# KiCad board AT386SX.kicad_pcb (continued)
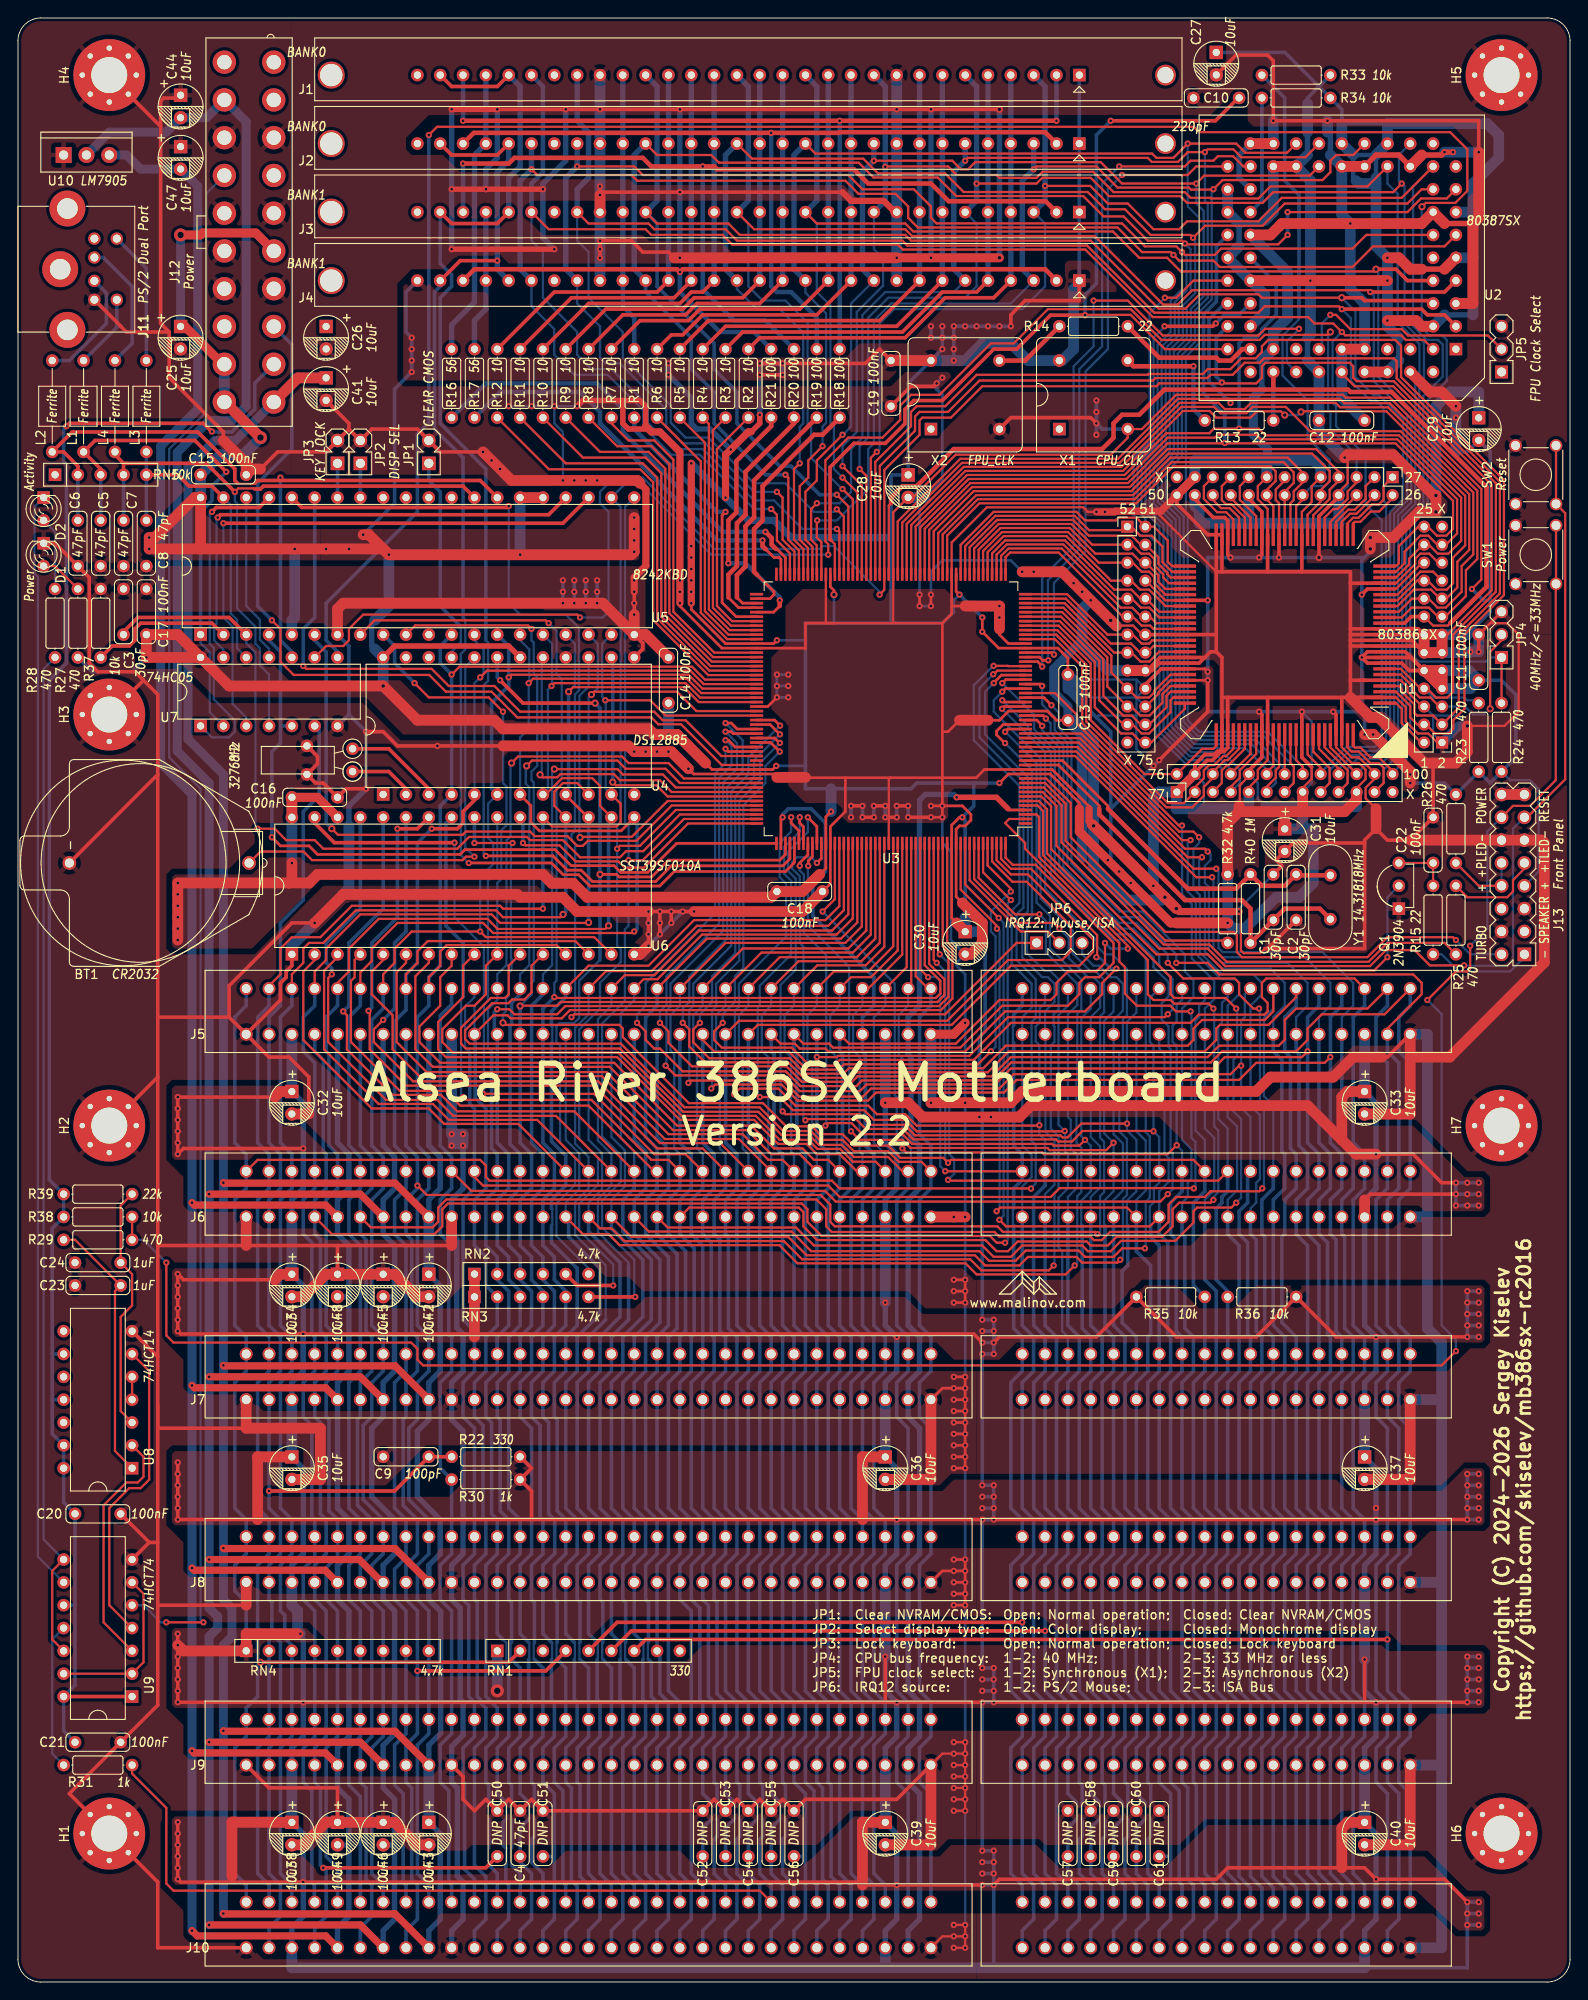
[diagram p0: board, top side]
## Routing (per net, layer and track width the routed paths; a pad name or vN(x,y) marks a point on that pad's centre or on a via; arc(x,y) is an arc through that point) (continued)
  Top w0.4: v1(48.58,126.72) 35.2,126.72 33.02,128.91 U6.31
  Bottom w0.25: v1(48.58,126.72) 48.58,118.43 51.85,115.16 51.85,109.63 50.8,108.58 J5.11
  Bottom w0.3: 50.84,105.09 50.6,105.33
  Bottom w0.4: J5.11 50.88,105.33 50.88,98.35 52.07,97.16 52.07,88.26 50.8,87 J6.11 50.8,81.91 52.07,80.65 52.07,77.47 RN3.2 53.34,73.03 52.07,71.75 52.07,67.94 50.8,66.68 J7.11 50.8,62.87 51.75,61.91 51.75,51.75 52.07,51.44 52.07,47.62 50.8,46.35 J8.11 50.8,42.54 51.12,42.23 51.12,31.75 51.44,31.43 51.44,31.12 52.07,30.48 52.07,27.31 50.8,26.03 J9.11 50.8,13 52.07,11.73 52.07,6.98 50.8,5.72 J10.11
Net-(BT1-Pad1): length 49.2
  Top w0.25: v1(50.8,125.16) 49.85,125.16 49.47,124.78 32.72,124.78 31.77,125.73 26.99,125.73 BT1.1
  Bottom w0.25: U4.20 49.78,146.3 49.78,126.18 v1(50.8,125.16)
Net-(C1-Pad1): length 47
  Top w0.3: 120.33,130.49 120.33,130.81 115.79,135.36 U3.14
  Top w0.5: Y1.1 144.88,119.38 140.97,119.38 C1.1 R40.1 137.16,119.38 136.21,120.33 129.86,120.33 120.33,129.86 120.33,130.49
Net-(C2-Pad1): length 41.8
  Top w0.3: U3.15 116.24,135.86 121.28,130.81 121.28,130.49
  Top w0.5: 121.28,130.49 130.18,121.6 135.57,121.6 R40.2 138.43,121.92 140.97,121.92 C2.1 142.34,123.09 Y1.2
Net-(C22-Pad1): length 6.3
  Top w0.25: R15.2 C22.1 Q1.3
Net-(C23-Pad1): length 29.8
  Top w0.25: U8.1 10.79,59.06 10.79,76.84 C23.1 6.35,82.55 R29.2
Net-(C24-Pad1): length 27.5
  Top w0.25: U8.3 11.43,63.5 11.43,73.98 12.7,75.25 12.7,78.74 C24.1 11.43,86.36 R39.1
Net-(D1-Pad2): length 4.9
  Top w0.25: R27.2 4.13,157.48 D1.2
Net-(D2-Pad1): length 122.4
  Bottom w0.25: D2.1 1.83,164.08 1.83,156.67 2.22,156.28 2.22,47.31 U9.9
Net-(D2-Pad2): length 8.1
  Bottom w0.25: R28.2 4.13,161.29 D2.2
Net-(JP1-Pad1): length 23.5
  Bottom w0.25: 49.21,150.81 49.28,150.74 49.28,148.98 48.26,147.95 U4.21
  Bottom w0.4: JP1.1 45.72,167 46.99,165.74 46.99,153.03 49.21,150.81
Net-(JP5-Pad2): length 25
  Top w0.25: v1(146.05,185.42) 146.69,185.42 148.27,183.83 153.99,183.83 154.69,183.13 163.58,183.13 JP5.2
  Bottom w0.25: U2.59 145.1,181.93 145.1,184.47 v1(146.05,185.42)
Net-(R13-Pad1): length 14.1
  Top w0.5: v1(130.81,179.7) 124.14,179.7 X1.5
  Bottom w0.5: v1(130.81,179.7) 130.81,174.94 R13.1
Net-(R14-Pad1): length 8.2
  Top w0.5: R14.1 112.08,180.34 X2.5
Net-(R25-Pad2): length 59.7
  Top w0.25: R25.2 158.75,115.57 152.4,115.57 150.3,113.47 134.5,113.47 132.58,115.38 127.5,115.38 116.13,126.76 116.13,130.89 114.16,132.86 U3.9
Net-(R28-Pad1): length 113
  Top w0.25: U9.12 3.81,38.1 3.81,45.72 U9.8
  Bottom w0.25: R28.1 2.86,146.05 2.86,49.21 U9.8
Net-(R31-Pad2): length 16.3
  Bottom w0.25: U9.11 3.81,38.1 3.81,25.4 R31.2
Net-(R32-Pad2): length 32.2
  Top w0.25: U3.10 114.3,133.36 116.58,131.07 116.58,126.95 127.69,115.83 134.24,115.83 134.52,115.55
Net-(R34-Pad2): length 26.7
  Bottom w0.3: 138.23,209.51 138.43,209.31 138.43,198.16 137,196.73
  Bottom w0.4: R34.2 138.43,198.12 U2.40
Net-(R37-Pad1): length 16.5
  Top w0.4: R37.1 10.48,148.59 12.38,148.59 13.02,149.22 13.02,150.5 13.65,151.13 21.59,151.13 U5.2
Net-(U4-Pad2): length 7.4
  Top w0.4: Y2.2 41.27,134.63 43.18,132.72 U4.2
Net-(U4-Pad3): length 11
  Top w0.4: Y2.1 41.27,137.17 45.72,132.72 U4.3
Net-(U8-Pad2): length 27.3
  Top w0.25: U9.3 9.52,40 9.52,53.02 12.06,55.56 13.33,55.56 13.97,56.2 13.97,58.42 U8.2
Net-(U8-Pad4): length 2.5
  Top w0.25: U8.5 U8.4
Net-(U8-Pad6): length 34.9
  Top w0.25: U9.4 10.16,41.91 10.16,52.71 12.38,54.93 13.65,54.93 14.6,55.88 14.6,67.94 U8.6

## Copper pours and planes (outline as drawn; the poured copper is in the pictures)
GND on Top: 157.48,7.62 160.02,5.08 163.19,5.08 163.83,5.72 163.83,9.53 163.19,10.16 161.29,10.16 156.84,14.6 151.13,14.6 151.13,18.73 150.81,19.05 147.32,19.05 146.37,18.1 132.08,18.1 129.22,15.24 114.3,15.24 113.66,15.88 106.68,15.88 106.68,27.94 155.26,27.94 157.16,29.84 163.19,29.84 163.83,30.48 163.83,36.83 163.19,37.47 153.99,37.47 152.4,39.05 115.57,39.05 113.98,40.64 106.68,40.64 106.68,48.26 155.26,48.26 157.16,50.16 163.19,50.16 163.83,50.8 163.83,57.15 163.19,57.78 160.97,57.78 158.43,55.25 148.27,55.25 147,56.51 106.68,56.51 106.68,67.94 159.07,67.94 161.61,70.48 163.19,70.48 163.83,71.12 163.83,77.47 163.19,78.1 125.09,78.1 121.92,74.93 106.68,74.93 106.68,78.1 117.16,78.1 118.43,79.38 122.87,79.38 124.14,80.65 126.05,80.65 127.32,81.91 130.49,81.91 132.4,83.82 153.03,83.82 154.94,85.72 155.57,85.72 156.21,85.09 163.19,85.09 163.83,85.72 163.83,89.53 163.19,90.17 161.29,90.17 155.57,95.88 151.13,95.88 151.13,100.01 150.81,100.33 144.78,100.33 148.59,104.14 153.35,104.14 153.67,104.46 153.67,106.04 157.16,109.54 157.16,111.12 154.31,113.98 138.75,113.98 138.75,126.68 139.06,127 142.24,127 144.15,128.91 147.96,128.91 150.18,131.13 153.67,131.13 154.31,131.76 155.89,131.76 156.53,132.4 156.53,134.62 151.13,140.02 149.86,140.02 147.32,142.56 149.86,142.56 149.86,142.24 150.81,141.29 152.08,141.29 155.57,137.8 155.57,137.48 156.21,136.84 157.16,136.84 161.61,141.29 161.61,149.54 161.93,149.86 172.72,149.86 172.72,0 106.68,0 106.68,7.62
GND on Top: 159.7,150.81 160.02,150.5 160.02,147.64 159.7,147.32 156.53,147.32 155.26,148.59 154.31,148.59 154.31,150.81
GND on Top: 74.93,119.7 74.93,116.84 70.17,112.08 69.53,112.08 67.94,113.66 67.94,114.94 69.53,116.52 69.53,117.16 68.9,117.79 66.67,117.79 66.04,118.43 66.04,119.7
GND on Top: 125.41,176.85 125.73,176.53 125.73,176.21 124.46,174.94 122.56,174.94 121.28,173.67 121.28,172.08 120.33,171.13 103.82,171.13 100.01,167.32 100.01,168.28 99.69,168.59 98.74,168.59 98.42,168.91 98.42,169.55 100.65,171.77 102.23,171.77 107.31,176.85
GND on Top: 30.48,218.44 30.48,167.64 29.84,167.64 29.53,167.96 28.89,167.96 28.57,167.64 26.35,167.64 25.72,167 19.69,167 13.65,160.97 13.65,159.07 15.24,157.48 30.8,157.48 30.8,151.13 29.53,151.13 28.26,152.4 13.33,152.4 11.43,150.5 11.43,148.91 13.02,147.32 13.02,146.69 13.65,146.05 17.78,146.05 21.59,142.24 26.35,142.24 26.35,126.68 23.49,123.83 17.14,123.83 16.51,123.19 16.51,114.94 17.14,114.3 26.35,114.3 33.97,121.92 57.78,121.92 58.42,121.28 58.42,120.02 36.51,120.02 31.43,114.94 31.43,104.46 39.05,96.84 45.4,96.84 47.31,94.93 55.56,94.93 57.78,92.71 57.78,92.39 57.47,92.07 35.56,92.07 31.75,95.88 31.75,100.01 31.43,100.33 17.14,100.33 16.51,99.69 16.51,91.44 18.41,89.53 18.41,86.36 19.05,85.72 26.03,85.72 26.67,85.09 26.67,84.46 27.3,83.82 33.02,83.82 34.29,82.55 65.41,82.55 66.67,81.28 85.09,81.28 87,79.38 105.09,79.38 106.36,78.1 106.68,78.1 106.68,74.93 100.97,74.93 99.06,76.84 69.53,76.84 67.94,78.42 65.41,78.42 63.82,80.01 49.85,80.01 49.53,79.69 49.53,77.47 47.62,75.56 44.13,75.56 42.23,77.47 33.97,77.79 31.75,75.56 31.75,79.69 31.43,80.01 17.46,80.01 16.83,80.65 16.19,80.65 15.88,80.33 15.88,79.38 16.19,79.06 16.19,71.44 18.41,69.22 18.41,66.04 19.05,65.41 26.03,65.41 26.67,64.77 26.67,64.13 27.3,63.5 46.04,63.5 46.67,64.13 46.67,67.63 46.99,67.94 106.68,67.94 106.68,56.51 103.82,56.51 102.55,55.25 97.79,55.25 97.79,59.37 97.47,59.69 45.4,59.69 40.96,55.25 31.75,55.25 31.75,59.37 31.43,59.69 17.14,59.69 16.51,59.06 16.51,50.8 18.41,48.9 18.41,45.72 19.05,45.09 26.03,45.09 26.67,44.45 26.67,43.81 27.3,43.18 46.04,43.18 46.67,43.81 46.67,47.94 46.99,48.26 106.68,48.26 106.68,40.64 66.04,40.64 63.5,38.1 34.29,38.1 32.38,40 21.59,40 20.95,40.64 16.19,40.64 15.88,40.32 15.88,39.69 16.51,39.05 16.51,30.48 18.41,28.57 18.41,25.4 19.05,24.76 26.03,24.76 26.67,24.13 26.67,23.5 27.3,22.86 46.04,22.86 46.67,23.5 46.67,27.62 46.99,27.94 106.68,27.94 106.68,15.88 103.5,15.88 102.23,14.6 97.79,14.6 97.79,18.73 97.47,19.05 92.71,19.05 88.9,15.24 50.48,15.24 49.85,14.6 43.5,14.6 41.59,16.51 34.61,16.51 32.7,14.6 31.75,14.6 31.75,18.73 31.43,19.05 17.14,19.05 15.88,17.78 15.88,10.48 18.41,7.94 18.41,5.08 19.05,4.44 26.03,4.44 26.67,3.81 26.67,3.18 27.3,2.54 46.04,2.54 46.67,3.18 46.67,7.3 46.99,7.62 106.68,7.62 106.68,0 0,0 0,218.44
GND on Top: 172.72,218.44 172.72,149.86 161.93,149.86 166.05,153.99 166.05,167 156.84,176.21 156.84,177.8 158.43,177.8 161.29,180.66 161.29,198.44 161.93,199.07 161.93,204.15 159.7,206.38 137.48,206.38 136.84,207.01 136.84,209.87 136.21,210.5 135.57,210.5 132.72,207.65 45.72,207.65 43.18,205.1 43.18,203.84 43.81,203.2 47.31,203.2 49.21,201.3 55.25,201.3 55.88,200.66 67.94,200.66 68.58,200.03 91.76,200.03 93.66,198.12 57.15,198.12 56.52,197.49 56.52,196.22 58.42,194.31 69.53,194.31 70.17,193.68 78.11,193.68 79.38,192.41 79.38,191.13 54.61,191.13 53.97,191.77 48.58,191.77 47.31,190.5 43.81,190.5 42.23,188.91 42.23,178.12 42.86,177.48 97.16,177.48 98.74,179.07 103.5,179.07 103.82,178.75 103.82,178.44 102.55,177.16 99.38,177.16 97.47,175.26 97.47,173.67 96.2,172.4 92.71,172.4 92.39,172.72 92.39,174.62 92.08,174.94 52.7,174.94 52.39,174.62 52.39,173.35 52.7,173.04 53.66,173.04 59.37,167.32 59.37,166.37 53.02,166.37 51.75,167.64 30.48,167.64 30.48,218.44
GND on Top: 118.75,164.15 124.78,164.15 127.95,167.32 129.86,165.1 132.4,162.56 133.98,162.56 133.98,157.8 134.62,157.16 149.22,157.16 149.86,156.53 149.86,155.57 149.54,155.57 148.59,154.62 148.59,153.99 149.86,152.72 149.86,148.59 149.54,148.59 148.59,147.64 148.59,147 149.86,145.73 149.86,142.56 135.57,142.56 134.94,141.92 134.94,140.33 133.67,140.33 133.67,146.37 133.03,147 132.08,147 131.76,147.32 131.76,151.76 133.03,153.03 133.03,156.53 131.13,158.43 129.54,158.43 125.09,162.88 119.06,162.88 118.43,163.51 118.43,163.83
GND on Top: 85.41,148.91 85.41,153.03 87.31,154.94 103.19,154.94 104.46,153.67 106.68,153.67 106.68,149.86 107.95,148.59 107.95,133.03 107.63,132.72 104.14,132.72 103.5,132.08 103.5,129.54 102.87,128.91 92.39,128.91 91.76,129.54 91.76,130.49 91.12,131.13 87.63,131.13 85.72,133.03 85.72,139.7 83.82,141.61 83.82,147.32
GND on Top: 69.53,157.48 69.85,157.16 69.85,147 69.53,146.69 60.01,146.69 59.37,147.32 59.37,151.76 58.42,152.72 38.42,152.72 36.2,150.5 36.2,149.22 34.92,149.22 34.92,150.18 33.97,151.13 30.8,151.13 30.8,157.48
GND on Top: 29.84,128.91 26.99,128.91 26.35,128.27 26.35,142.24 38.42,142.24 42.55,138.11 54.61,138.11 54.61,136.84 53.97,136.21 53.97,133.67 53.66,133.35 50.48,133.35 49.85,132.72 49.85,131.44 48.89,130.49 31.43,130.49
GND on Bottom: 156.53,150.5 158.43,150.5 159.38,151.45 159.38,173.04 160.66,173.04 161.29,172.4 164.15,172.4 164.47,172.08 164.47,153.67 165.73,152.4 165.73,149.86 163.19,147.32 156.53,147.32 155.89,147.95 155.89,149.86
GND on Bottom: 91.76,129.86 91.76,131.13 92.08,131.44 99.38,131.44 99.69,131.13 99.69,112.71 99.06,112.08 97.79,112.08 89.22,120.65 89.22,121.92 90.49,123.19 90.49,128.59
GND on Bottom: 120.33,124.14 123.19,121.28 125.09,121.28 125.73,121.92 125.73,132.72 126.37,133.35 129.54,133.35 130.18,133.99 130.18,134.94 131.76,134.94 131.76,133.99 132.4,133.35 136.84,133.35 137.48,132.72 137.48,130.18 138.11,129.54 139.06,129.54 139.7,128.91 139.7,127.32 140.02,127 141.6,127 142.88,125.73 142.88,124.46 142.56,124.14 141.6,124.14 141.29,123.83 141.29,122.55 140.97,122.24 139.7,122.24 136.21,118.75 135.57,118.75 135.57,124.14 130.18,129.54 129.22,129.54 128.59,128.91 128.59,128.27 129.22,127.64 129.22,120.65 130.18,119.7 130.18,115.89 129.86,115.57 129.22,115.57 125.09,119.7 122.87,119.7 117.79,124.78 117.79,138.75 116.52,140.02 116.52,141.61 117.16,141.61 120.33,138.43
GND on Bottom: 131.13,173.35 135.89,173.35 136.53,173.99 136.53,177.8 136.84,178.12 138.75,178.12 139.06,177.8 139.06,174.62 140.02,173.67 142.88,173.67 147,177.8 147.64,177.8 150.18,175.26 150.81,175.26 151.45,174.62 151.45,167 151.13,166.69 131.13,166.69 130.49,167.32 130.49,172.72
GND on Bottom: 67.94,156.84 68.58,157.48 72.71,157.48 73.98,156.21 73.98,147 71.12,144.14 71.12,138.11 71.75,137.48 73.03,137.48 73.66,138.11 73.66,141.61 78.74,146.69 86.04,146.69 86.36,146.37 86.36,142.24 84.77,140.65 78.42,140.65 77.79,140.02 77.79,135.57 76.83,134.62 76.83,118.75 70.17,112.08 69.53,112.08 67.94,113.66 67.94,114.94 69.53,116.52 69.53,130.49 69.22,130.81 68.26,130.81 67.94,131.13
GND on Bottom: 56.83,165.42 56.2,166.05 53.66,166.05 53.02,166.69 53.02,168.28 50.16,171.13 50.16,172.72 50.48,173.04 51.12,173.04 54.29,176.21 62.23,176.21 63.82,174.31 63.82,173.04 65.72,171.13 65.72,167.64 64.14,166.05 64.14,164.15 65.09,163.19 65.09,153.03 64.77,152.72 57.47,152.72 56.83,153.35
GND on Bottom: 119.38,159.07 119.38,178.75 121.92,181.29 121.92,199.39 122.56,200.03 123.19,200.03 123.82,200.66 123.82,201.93 122.56,203.2 122.56,207.33 121.92,207.96 120.65,207.96 120.01,208.6 120.01,213.04 120.33,213.36 130.18,213.36 130.81,212.72 135.25,212.72 135.89,212.09 135.89,211.14 134.62,209.87 134.62,209.23 137.79,206.06 137.79,203.84 137.16,203.2 133.35,203.2 131.13,205.42 130.18,205.42 129.54,204.79 129.54,193.99 125.41,189.87 125.41,171.45 123.82,169.86 123.82,163.19 123.51,162.88 122.56,162.88 122.24,162.56 122.24,145.41 118.75,145.41 117.47,146.69 115.89,146.69 115.89,155.57
GND on Bottom: 99.69,165.74 101.6,167.64 101.6,177.8 102.87,179.07 116.52,179.07 116.84,178.75 116.84,159.7 113.35,156.21 113.35,147 114.3,146.37 115.25,146.37 115.25,143.83 111.12,143.83 109.22,145.73 109.22,150.18 108.58,150.81 108.58,156.84 107.95,157.48 103.19,157.48 102.55,156.84 102.55,152.72 102.23,152.4 99.69,152.4 99.38,152.72 99.38,163.83 98.74,164.47 98.74,165.74
GND on Bottom: 101.28,131.44 103.5,131.44 103.82,131.13 103.82,127.32 104.46,126.68 104.46,115.57 105.09,114.94 106.36,114.94 106.36,106.36 105.73,105.73 105.73,100.97 106.05,100.65 106.05,3.81 105.41,3.18 101.28,3.18 100.33,4.13 100.33,5.72 100.97,6.35 100.97,131.13
GND on Bottom: 38.73,156.84 39.37,156.84 40,156.21 40,153.35 38.73,152.08 38.73,147.32 39.37,146.69 39.37,143.83 40.32,142.88 46.67,142.88 47.31,142.24 47.31,131.76 46.04,130.49 35.88,130.49 34.92,131.44 34.92,153.03
GND on Bottom: 156.21,8.57 156.21,11.11 156.53,11.43 156.53,20.32 154.31,22.54 154.31,25.72 156.21,27.62 156.21,30.8 154.31,32.7 154.31,46.04 156.21,47.94 156.21,61.28 154.31,63.18 154.31,66.36 156.21,68.26 156.21,71.44 154.31,73.34 154.31,86.68 156.21,88.58 156.21,91.76 154.31,93.66 154.31,107 155.57,108.27 157.16,108.27 157.8,107.63 157.8,73.03 158.75,72.07 159.07,3.49 158.75,3.18 153.99,3.18 153.67,3.49 153.67,6.03
VCC on Top: 130.18,141.29 131.44,141.29 132.08,141.92 132.08,144.14 131.76,144.46 131.76,146.05 132.08,146.37 132.72,146.37 133.03,146.05 133.03,140.97 132.4,140.33 132.4,139.06 127.32,133.99 126.37,133.99 125.09,135.25 125.09,136.21
VCC on Top: 14.29,160.66 19.37,165.74 20.95,165.74 20.95,163.19 22.54,161.61 33.66,161.61 33.66,158.12 15.56,158.12 14.29,159.38
VCC on Top: 17.46,18.41 31.12,18.41 31.12,16.83 29.21,16.83 29.21,14.6 29.84,13.97 31.75,13.97 33.66,12.06 52.39,12.06 53.02,12.7 59.05,12.7 60.96,14.6 73.66,14.6 75.56,12.7 87,12.7 88.58,13.97 93.03,18.41 95.25,18.41 95.25,14.6 95.89,13.97 102.55,13.97 103.82,15.24 113.35,15.24 115.89,12.7 127.63,12.7 132.4,17.46 146.69,17.46 147.64,18.41 148.59,18.41 148.59,14.6 149.22,13.97 156.53,13.97 160.97,9.53 162.88,9.53 163.19,9.21 163.19,6.03 162.88,5.72 160.34,5.72 155.57,10.16 83.82,10.16 83.19,10.79 17.46,10.79 17.14,11.11 17.14,18.1
VCC on Top: 139.06,98.11 140.34,99.38 147.32,99.38 147.64,99.69 148.59,99.69 148.59,95.88 149.22,95.25 155.26,95.25 160.97,89.53 162.88,89.53 163.19,89.22 163.19,86.04 162.88,85.72 156.53,85.72 155.89,86.36 141.29,86.36 140.65,87 140.65,90.81 140.02,91.44 131.76,91.44 127,96.2 110.49,96.2 112.4,98.11
VCC on Top: 17.46,59.06 29.21,59.06 29.21,53.97 47.94,53.97 49.53,55.56 49.53,58.74 49.85,59.06 95.25,59.06 95.25,54.93 95.57,54.61 102.87,54.61 104.14,55.88 146.69,55.88 147.96,54.61 158.43,54.61 160.97,57.15 162.88,57.15 163.19,56.83 163.19,51.12 162.88,50.8 17.46,50.8 17.14,51.12 17.14,58.74
VCC on Top: 42.86,188.59 44.13,189.87 44.77,189.87 46.67,187.96 52.07,187.96 52.39,187.64 52.39,180.97 52.7,180.66 92.08,180.66 93.66,182.25 99.06,182.25 103.5,186.69 108.9,186.69 110.49,188.28 116.21,188.28 116.52,188.59 116.52,191.13 116.84,191.45 119.38,191.45 122.24,188.59 122.24,187.96 119.7,187.96 118.11,186.37 114.3,186.37 110.81,182.88 107.95,182.88 105.09,179.7 98.42,179.7 96.84,178.12 43.18,178.12 42.86,178.44
VCC on Top: 17.14,39.05 17.46,39.37 32.07,39.37 33.02,38.42 33.02,37.78 27.62,37.78 26.99,37.15 26.99,36.51 26.35,35.88 26.35,35.24 26.67,34.93 43.18,34.93 44.13,33.97 59.05,33.97 60.64,35.56 74.3,35.56 76.2,37.47 151.76,37.47 152.4,36.83 162.88,36.83 163.19,36.51 163.19,30.8 162.88,30.48 17.46,30.48 17.14,30.8
VCC on Top: 133.98,122.55 133.98,125.73 130.18,129.54 130.18,130.18 132.4,132.4 135.57,132.4 135.57,141.61 135.89,141.92 147,141.92 148.59,140.33 148.59,130.49 147.64,129.54 143.83,129.54 141.92,127.64 138.75,127.64 138.11,127 138.11,122.55
VCC on Top: 154.94,147.95 156.21,146.69 159.7,146.69 160.02,146.37 160.02,144.46 158.75,143.19 158.12,143.19 156.53,144.78 155.89,144.78 154.31,146.37 154.31,147.95
VCC on Top: 149.54,139.38 151.13,139.38 155.89,134.62 155.89,132.72 155.57,132.4 154.31,132.4 153.99,132.72 153.99,134.62 153.35,135.25 153.03,135.25 151.76,136.53 150.81,136.53 149.22,138.11 149.22,139.06
VCC on Top: 17.46,79.38 31.12,79.38 31.12,77.79 29.21,77.79 29.21,75.56 29.84,74.93 68.58,74.93 69.85,76.2 98.74,76.2 100.65,74.29 122.24,74.29 125.41,77.47 128.91,77.47 131.44,74.93 135.25,74.93 137.79,77.47 162.88,77.47 163.19,77.15 163.19,71.44 162.88,71.12 111.12,71.12 109.22,69.22 104.14,69.22 102.23,71.12 44.77,71.12 44.13,71.75 17.46,71.75 17.14,72.07 17.14,79.06
VCC on Top: 17.46,123.19 26.03,123.19 27.94,125.09 31.43,125.09 32.07,124.46 48.89,124.46 49.53,123.83 59.05,123.83 60.01,122.87 61.91,122.87 63.5,121.28 71.75,121.28 73.34,122.87 84.45,122.87 85.09,122.24 85.09,120.65 84.77,120.33 62.86,120.33 61.59,121.6 59.37,121.6 58.42,122.55 33.66,122.55 26.03,114.94 17.46,114.94 17.14,115.25 17.14,122.87
VCC on Top: 21.91,142.88 18.1,146.69 13.97,146.69 13.65,147 13.65,150.5 18.1,150.5 19.37,149.22 19.37,148.91 26.03,148.91 30.16,144.78 42.55,144.78 45.09,142.24 52.07,142.24 53.97,140.33 70.17,140.33 71.12,139.38 71.75,139.38 71.75,138.11 69.22,138.11 68.58,138.75 42.86,138.75 38.73,142.88
VCC on Top: 17.46,99.69 29.21,99.69 29.21,95.57 29.53,95.25 31.43,95.25 34.29,92.39 33.97,92.07 26.35,92.07 25.72,91.44 17.46,91.44 17.14,91.76 17.14,99.38
VCC on Top: 146.05,162.56 146.05,159.38 146.69,158.75 148.91,158.75 149.54,159.38 149.54,161.61 150.81,162.88 152.08,162.88 154.31,165.1 154.31,167.64 153.03,168.91 146.69,168.91 145.41,170.18 146.05,170.81 153.03,170.81 159.07,164.78 159.07,163.51 158.43,162.88 157.16,162.88 152.72,158.43 150.5,158.43 149.86,157.8 134.94,157.8 134.62,158.12 134.62,162.56
VCC on Top: 33.66,161.61 60.96,161.61 63.18,163.83 68.9,163.83 69.22,163.51 69.22,158.43 68.9,158.12 33.66,158.12
VCC on Bottom: 0,218.44 106.68,218.44 106.68,213.36 46.36,213.36 45.72,212.72 45.72,206.38 45.09,205.74 45.09,173.67 43.81,172.4 43.81,163.83 31.12,151.13 31.12,149.54 30.16,149.54 30.16,167.32 28.89,168.59 22.86,168.59 21.27,167 21.27,165.1 19.69,165.1 19.69,167.96 19.05,168.59 15.56,168.59 14.92,167.96 14.92,135.25 18.41,131.76 18.41,114.3 0,114.3
VCC on Bottom: 131.13,166.05 148.91,166.05 149.54,165.42 149.54,164.15 151.45,162.24 151.45,138.43 150.81,137.8 147.64,137.8 145.1,135.25 143.51,135.25 139.38,139.38 131.76,139.38 130.49,140.65 130.49,165.42
VCC on Bottom: 70.48,164.47 77.79,157.16 80.96,157.16 81.6,157.8 91.76,157.8 92.39,158.43 92.39,162.88 95.25,165.74 95.25,168.59 96.52,169.86 96.52,184.15 97.79,185.42 113.66,185.42 116.52,188.28 116.52,212.72 115.89,213.36 119.38,213.36 119.38,189.23 118.11,187.96 118.11,181.29 116.52,179.7 102.55,179.7 100.97,178.12 100.97,167.96 99.38,166.37 98.11,166.37 97.79,166.05 97.79,164.47 98.74,163.51 98.74,152.4 99.38,151.76 102.55,151.76 103.19,152.4 103.19,156.53 103.5,156.84 107.63,156.84 107.95,156.53 107.95,150.5 108.58,149.86 108.58,147.64 105.73,144.78 105.73,132.72 100.33,132.72 99.69,132.08 91.76,132.08 91.12,131.44 91.12,130.18 89.85,130.18 88.58,131.44 85.72,131.44 84.14,129.86 84.14,122.87 84.77,122.24 84.77,116.2 82.23,113.66 81.6,113.66 81.28,113.98 81.28,130.49 83.82,133.03 83.82,135.25 84.45,135.89 85.09,135.89 85.72,136.53 85.72,140.65 87,141.92 87,146.69 86.36,147.32 78.42,147.32 73.34,142.24 71.75,142.24 71.75,144.14 74.61,147 74.61,156.53 73.03,158.12 68.26,158.12 67.94,158.43 67.94,163.19 69.22,164.47
VCC on Bottom: 172.72,218.44 172.72,111.76 148.59,111.76 145.1,115.25 138.75,115.25 138.43,115.57 138.43,115.89 137.79,116.52 135.89,116.52 135.89,117.47 140.02,121.6 142.24,121.6 143.51,122.87 143.51,126.05 141.92,127.64 141.92,132.72 142.56,133.35 153.35,133.35 153.99,133.99 153.99,134.62 155.89,136.53 159.07,136.53 161.93,139.38 161.93,145.1 166.37,149.54 166.37,152.72 165.1,153.99 165.1,172.4 164.47,173.04 161.61,173.04 161.29,173.35 161.29,200.66 163.83,203.2 163.83,205.1 163.19,205.74 146.69,205.74 146.69,207.65 146.05,208.28 142.24,208.28 141.6,208.91 141.6,210.19 138.43,213.36 131.44,213.36 130.81,214 120.01,214 119.38,213.36 106.68,213.36 106.68,218.44
VCC on Bottom: 18.41,114.3 18.41,5.08 19.05,4.44 22.86,4.44 24.77,2.54 105.73,2.54 106.68,3.49 106.68,0 0,0 0,114.3
VCC on Bottom: 107,106.04 107,114.94 108.27,114.94 108.27,104.78 107.63,104.14 107.63,102.87 108.58,101.92 108.58,86.68 108.27,86.36 108.27,84.46 108.9,83.82 108.9,81.91 109.86,80.96 109.86,67.31 109.54,66.99 109.54,11.75 110.17,11.11 110.17,3.49 111.12,2.54 111.12,0 106.68,0 106.68,101.28 106.36,101.6 106.36,105.41
VCC on Bottom: 105.41,131.44 105.41,132.08 104.78,132.72 105.73,132.72 105.73,137.8 110.81,132.72 110.81,122.55 107.63,119.38 107.63,116.52 108.27,115.89 108.27,114.94 107,114.94 107,115.25 106.36,115.89 105.09,115.89 105.09,127 104.46,127.64 104.46,130.49
VCC on Bottom: 117.47,145.73 118.43,144.78 125.41,144.78 126.05,144.14 126.05,138.75 129.22,135.57 127.63,133.99 125.73,133.99 125.09,133.35 125.09,122.24 124.78,121.92 123.51,121.92 120.97,124.46 120.97,138.75 116.21,143.51 116.21,145.73
VCC on Bottom: 159.07,2.54 159.7,3.18 159.7,68.58 160.97,69.85 160.97,71.12 159.07,73.03 159.07,107.95 155.26,111.76 172.72,111.76 172.72,0 111.12,0 111.12,2.54

## Text on the board
B.Silkscreen: VCC | GND | FPU_CLK2 | A3 | A5 | A7 | A8 | A10 | A12 | A13 | A15 | A16 | A17 | A19 | CPU_CLK2 | ~{READY} | ~{FPU_ERROR} | W/~{R} | A23 | ~{ADS} | FPU_RESET | ~{FPU_BUSY} | M/~{IO} | ~{BHE} | ~{BLE} | CLK2 | HLDA | D0 | D14 | D3 | D5 | VSTB | ~{ACT} | ACT | SA7 | ~{PS_OFF} | M_DATA | K_DATA | ~{SET} | SET | P_SW | ~{P_SW} | ~{PS_ON} | A2 | A4 | A6 | A9 | A11 | A14 | A18 | A20 | D/~{C} | ~{SMADS} | A1 | ~{NA} | HOLD | D13 | D15 | D4 | D6 | D7 | K_CLK | MSCI | KBDO | KBCO | RESET | K_IRQ12 | K_IRQ1 | ~{SMEMW} | IRQ9 | K_LOCK | -5V | READY | DISP_SEL | SA14 | DRQ2 | SA13 | -12V | SA8 | ~{0WS} | SA9 | +12V | MDP02 | MDP13 | SA11 | CLR_CMOS | ~{RCAS0} | ~{RCAS1} | ~{RCAS2} | ~{RCAS3} | ~{MEMR} | V_BAT | MSDI | ~{RRAS01} | ~{RRAS23} | KBDI | ~{R_IRQ8} | SA10 | ~{SMEMR} | DP_LO | DP_HI | ~{BIOS_CS} | ~{IOW} | RTC_DS | SD7 | ~{IOR} | MSCO | SD6 | ~{DACK3} | MSDO | RTC_RW | SD5 | DRQ3 | ~{A20M} | RTC_AS | SD4 | ~{DACK1} | ~{RWE} | ~{K_RC} | SD3 | DRQ1 | ~{REFRESH} | RA10 | BLCK | RA9 | IRQ7 | RA8 | IRQ6 | D12 | IRQ5 | RA7 | IRQ4 | RA6 | IRQ3 | D11 | ~{DACK2} | RA5 | TC | RA4 | ALE | D2 | D10 | OSC | RA3 | RA2 | D1 | D9 | RA1 | RA0 | ~{MEMCS16} | D8 | ~{IOCS16} | IRQ10 | IRQ11 | IRQ12 | IRQ15 | IRQ14 | ~{DACK0} | A22 | DRQ0 | ~{RPLVAL} | ~{DACK5} | ~{SUSPA} | DRQ5 | INTR | ~{DACK6} | NMI | FPU_PEREQ | DRQ6 | ~{ERROR} | ~{DACK7} | ~{CPU_BUSY} | DRQ7 | ~{FLUSH} | ~{FLT} | MASTER | ~{LOCK} | M_CLK | KBCI | ~{IO_CH_CHK} | ~{RESET} | SA16 | ~{K_CS} | SA15 | SA12 | SA2 | SD2 | X1 | SA6 | SD1 | X2 | SA5 | SD0 | SA4 | IO_CH_RDY | SA3 | AEN | SA19 | SA1 | SA18 | SA0 | SA17 | ~{SBHE} | LA23 | LA22 | LA21 | LA20 | LA19 | LA18 | A21 | LA17 | ~{SMI} | ~{MEMW} | ~{RPLSET} | ~{SUSP} | SD8 | SD9 | SD10 | CPU_PEREQ | CKM | SD11 | CPU_RESET | SD12 | SD13 | ~{KEN} | SD14 | NC | SD15 | Alsea River 386SX Motherboard - Version 2.2 / Copyright (C) 2024-2026 Sergey Kiselev / https://github.com/skiselev/mb386sx-rc2016 / Based on the M396F motherboard replica by Marco Both: / https://github.com/skiselev/mb386sx-rc2016
User.Eco2: ATX I/O Area
F.Silkscreen: POWER | + +PLED- | TURBO | RESET | +TLED- | + | SPEAKER | - | JP1: / JP2: / JP3: / JP4: / JP5: / JP6: | Clear NVRAM/CMOS: / Select display type: / Lock keyboard: / CPU bus frequency: / FPU clock select: / IRQ12 source: | Open: Normal operation; / Open: Color display; / Open: Normal operation; / 1-2: 40 MHz; / 1-2: Synchronous (X1); / 1-2: PS/2 Mouse; | Closed: Clear NVRAM/CMOS / Closed: Monochrome display / Closed: Lock keyboard / 2-3: 33 MHz or less / 2-3: Asynchronous (X2) / 2-3: ISA Bus | www.malinov.com | 52 | X | 75 | 51 | 50 | 76 | 77 | 27 | 26 | 100 | 25 | 1 | 2 | Copyright (C) 2024-2026 Sergey Kiselev / https://github.com/skiselev/mb386sx-rc2016 | Version 2.2 | Alsea River 386SX Motherboard
